# Allegro board nu_2000_main_210405_gerber_el.brd
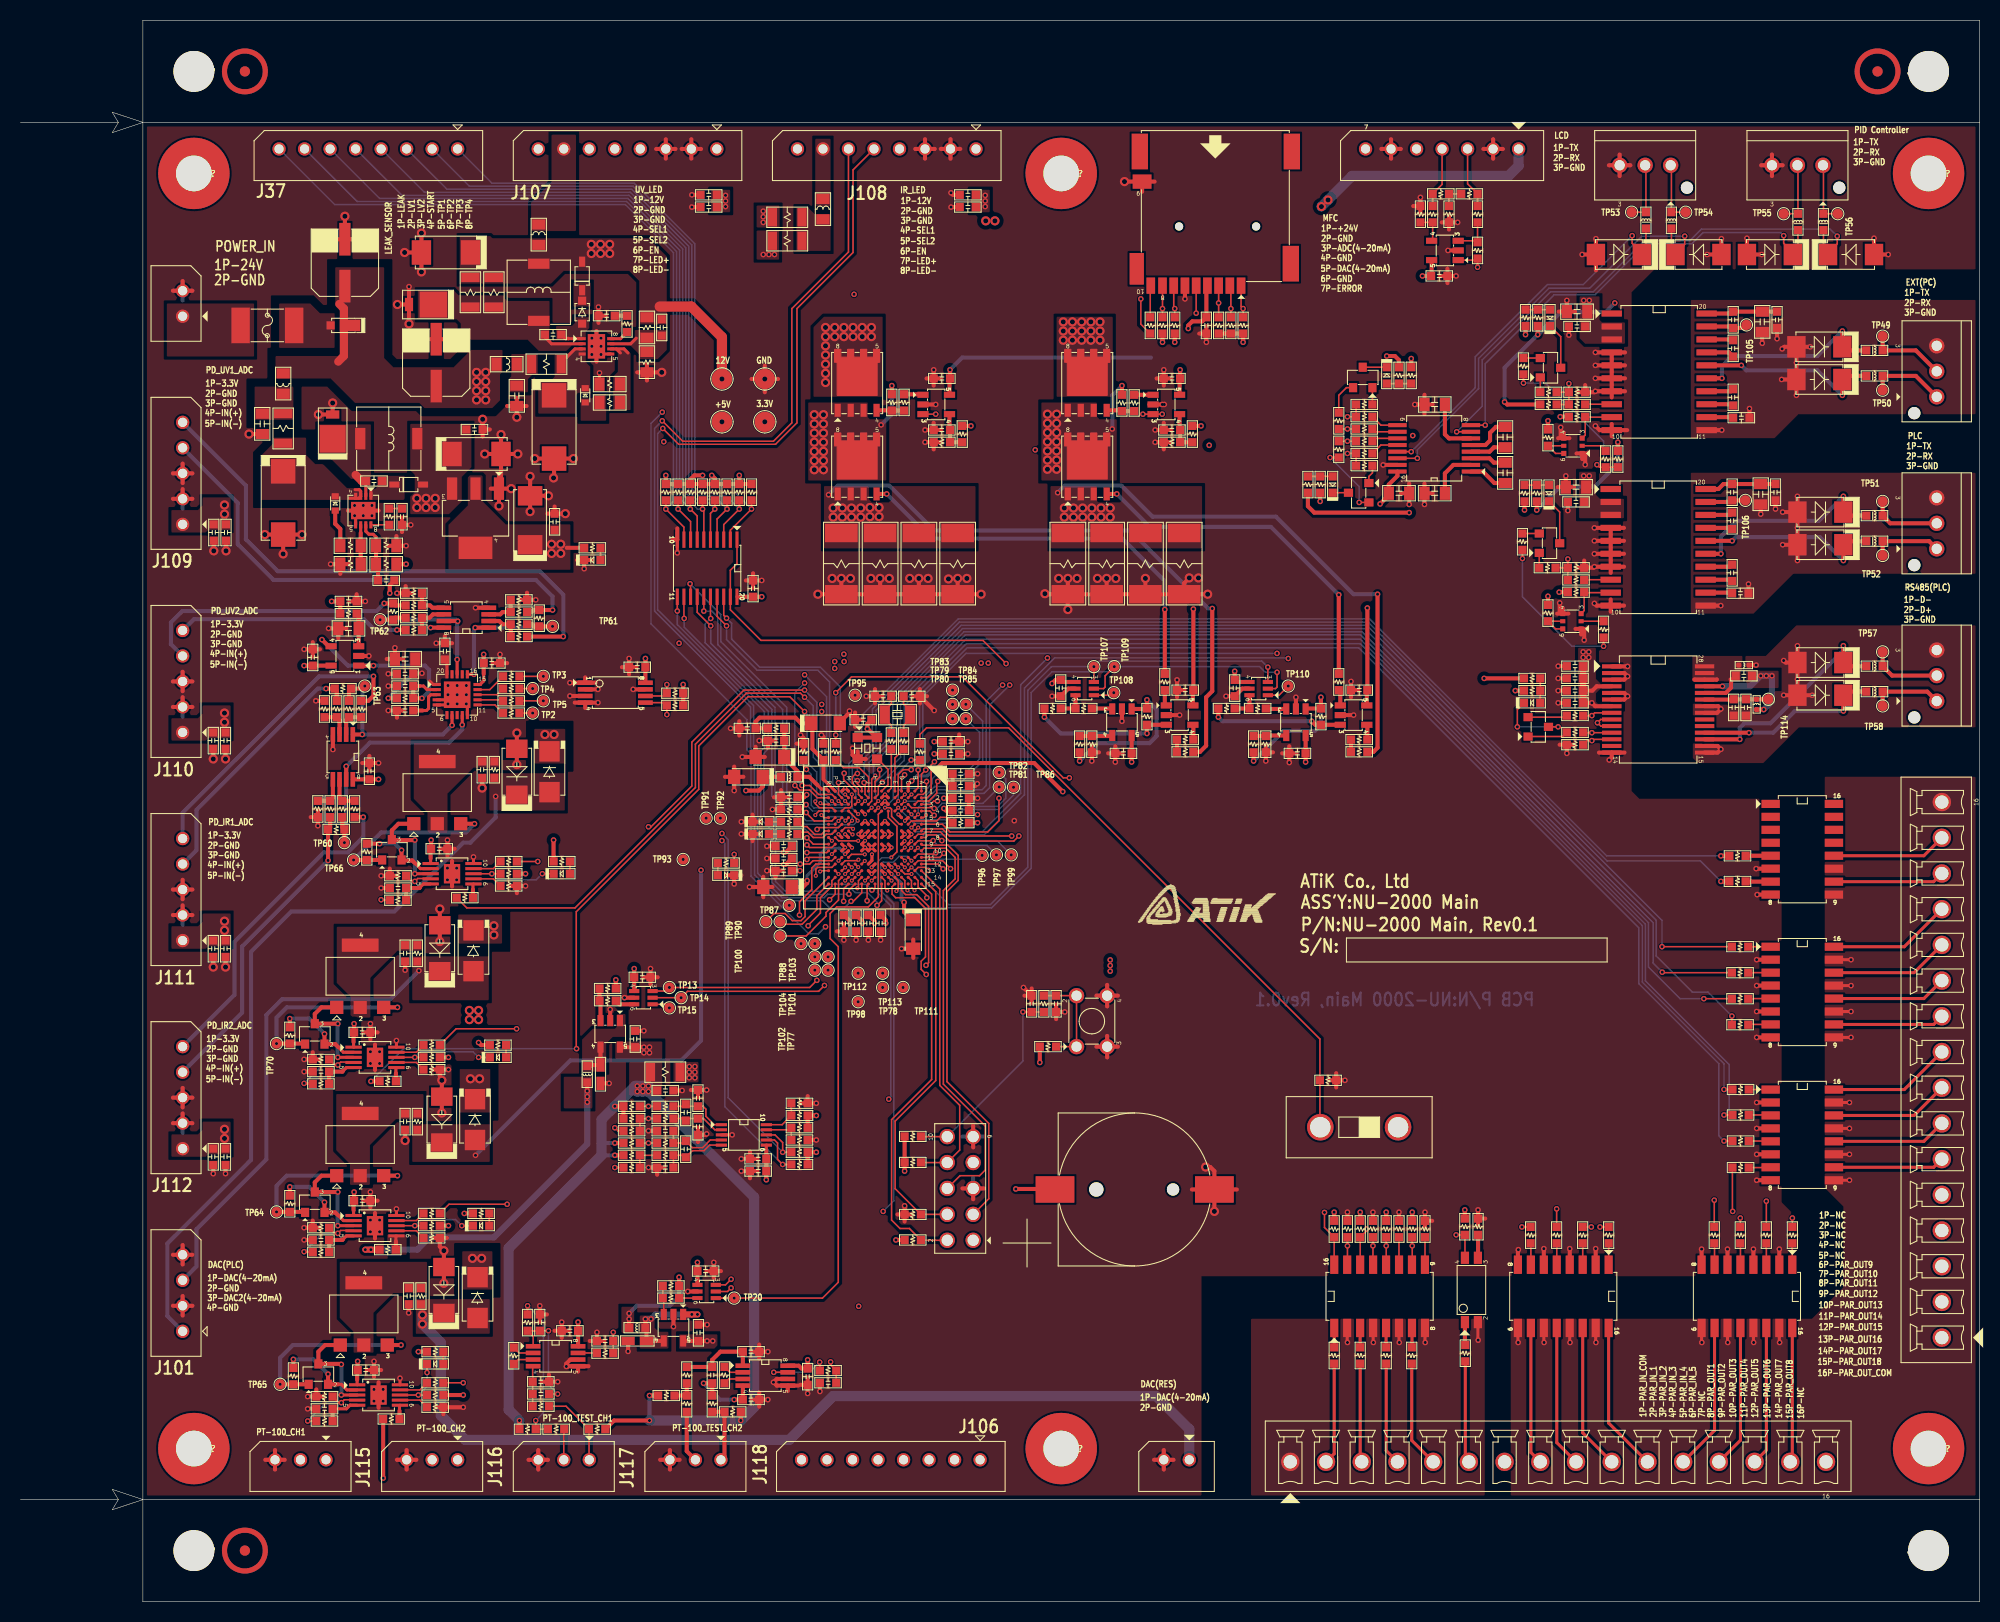
[diagram p0: board, top side]
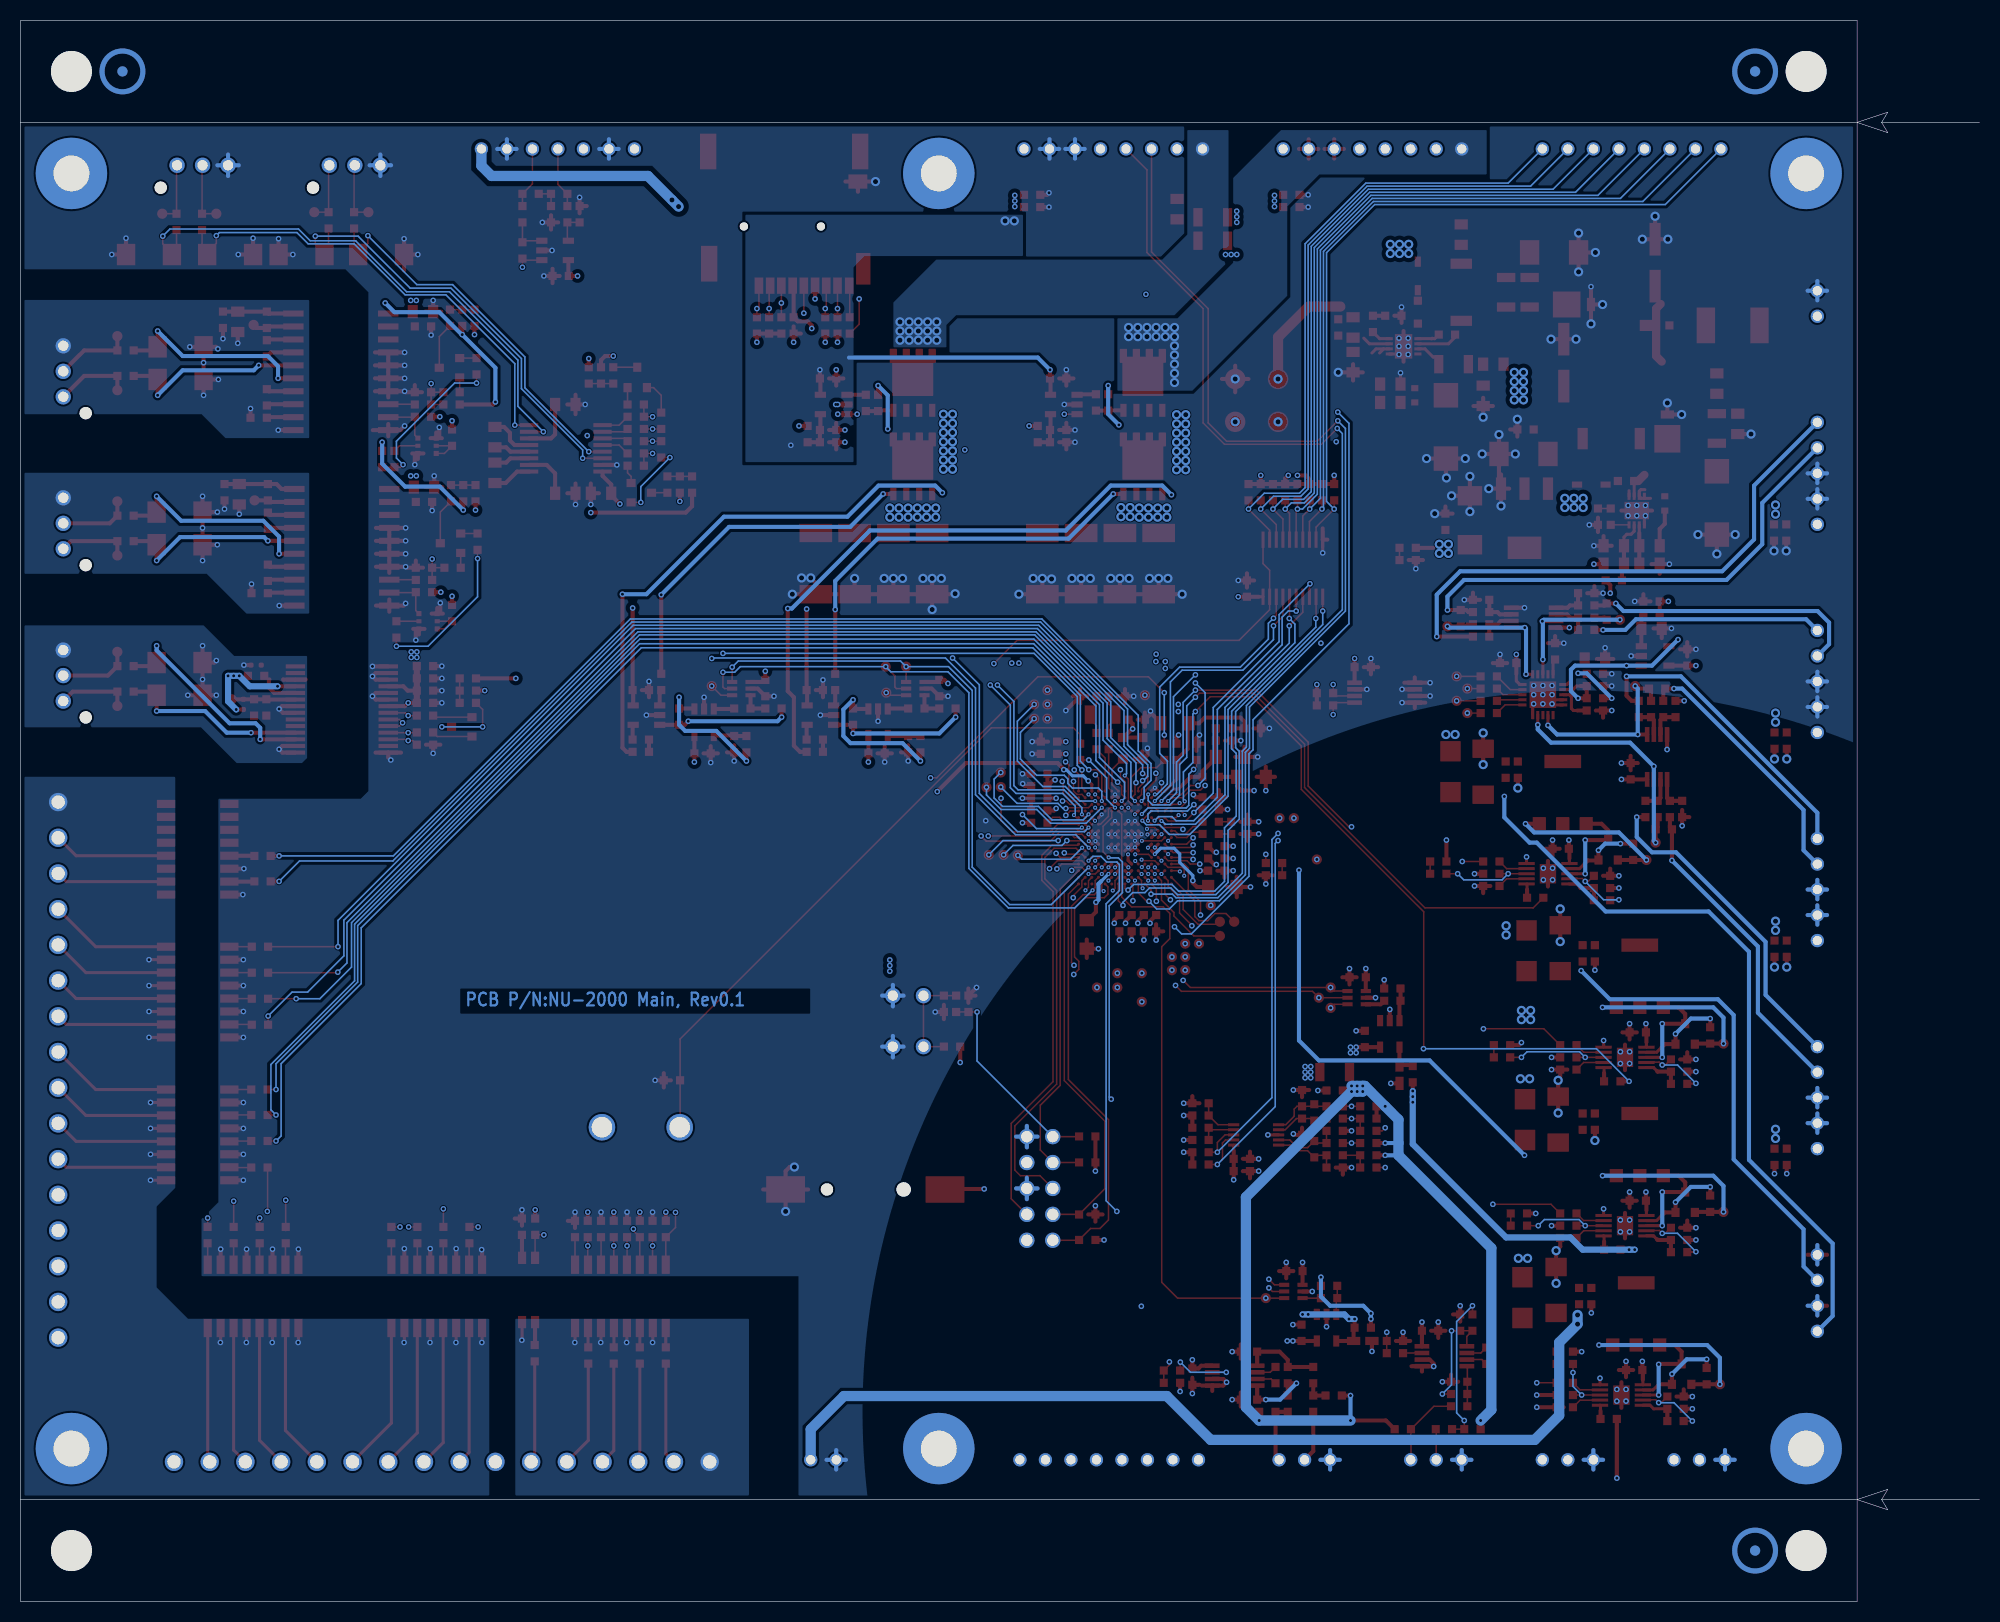
[diagram p1: board, bottom side, seen from below]

Outline 192 x 155 mm; copper layers: TOP, L2-PWR, L3-INT1, L4-INT2, L5-GND, BOTTOM. Coordinates in mm from the lower left corner of the outline.
Outline path: 12,145 12,155 192,155 192,145 ; 12,145 192,145 ; 12,145 12,10 ; 192,145 192,10 ; 12,10 12,0 192,0 192,10 ; 12,10 192,10

## Placement (name value [footprint] x y rotation side)
BT1  BC-501SM  [BT_BC501SM_2P]  109.2 40.4 270 top
C1  6.8p/C1608  [C1608]  87.35 88.75 0 top
C2  100n/C1608  [C1608]  99.1 58.6 270 top
C3  10p/C1608  [C1608]  101.5 58.6 90 top
C4  6.8p/C1608  [C1608]  84.55 88.75 180 top
C5  2.2u/16V  [TAN_3216A_C]  87.5 65.4 270 top
C6  2.2u/16V  [TAN_3216A_C]  74.2 70.05 180 top
C7  2.2u/C1608  [C1608]  78.7 83.3 270 top
C8  4.7u/16V  [TAN_3216A_C]  71.35 80.85 180 top
C9  100n/C1608  [C1608]  92.15 79.95 180 top
C10  100n/C1608  [C1608]  75.35 78.85 0 top
C11  2.2u/16V  [TAN_3216A_C]  73.45 82.8 180 top
C12  100n/C1608  [C1608]  92.15 78.75 180 top
C13  100n/C1608  [C1608]  92.15 77.55 180 top
C14  100n/C1608  [C1608]  92.15 81.15 180 top
C15  100n/C1608  [C1608]  91.2 83.1 180 top
C16  100n/C1608  [C1608]  91.2 84.3 180 top
C17  100n/C1608  [C1608]  74.8 71.65 0 top
C18  100n/C1608  [C1608]  74.8 72.85 0 top
C19  100n/C1608  [C1608]  74.8 74.05 0 top
C20  100n/C1608  [C1608]  83.1 66.5 90 top
C21  100n/C1608  [C1608]  84.3 66.5 90 top
C22  100n/C1608  [C1608]  81.9 66.5 90 top
C23  100n/C1608  [C1608]  80.7 66.5 90 top
C24  100n/C1608  [C1608]  74.05 84.4 0 top
C25  2.2u/16V  [TAN_3216A_C]  78.9 86.1 0 top
C26  100n/C1608  [C1608]  71.25 85.6 0 top
C27  100n/C1608  [C1608]  116.22 125.1 90 top
C28  100n/C1608  [C1608]  60.45 91.6 0 top
C31  10n/C1608  [C1608]  38.05 29.95 90 top
C32  100n/C1608  [C1608]  34.65 109.85 180 top
C33  100n/C1608  [C1608]  44.5 114.9 180 top
C36  22p/C1608  [C1608]  35.85 100.1 0 top
C37  100n/C1608  [C1608]  52.35 105.85 270 top
C38  10u/35V  [TAN_7343D_C]  25.75 107.7 270 top
C39  100u/35V  [ECAP_630_D]  31.8 131.25 180 top
C40  100n/C2012  [C2012]  23.7 115.45 90 top
C41  100u/10V  [TAN_6032C_C]  49.95 106 90 top
C42  100u/10V  [TAN_6032C_C]  44.7 112.5 0 top
C43  22p/C1608  [C1608]  37.4 106.35 90 top
C44  100n/C1608  [C1608]  71.8 99.3 270 top
C45  100n/C1608  [C1608]  60.95 61.2 180 top
C46  100n/C1608  [C1608]  60.25 55.15 270 top
C47  100n/C1608  [C1608]  66.45 26.35 270 top
C48  100n/C1608  [C1608]  67.15 32.4 180 top
C62  100n/C2012  [C2012]  145.5 110.65 270 top
C63  100n/C2012  [C2012]  135.1 108.65 0 top
C64  100n/C2012  [C2012]  145.5 114.15 270 top
C65  100n/C2012  [C2012]  138.6 117.35 0 top
C66  100n/C2012  [C2012]  138.6 108.65 0 top
C67  100n/C1608  [C1608]  172.15 125.65 270 top
C68  100n/C1608  [C1608]  152.55 125 180 top
C69  100n/C1608  [C1608]  168.65 116.05 0 top
C70  100n/C1608  [C1608]  167.85 118.05 270 top
C71  100n/C1608  [C1608]  167.85 125.65 270 top
C75  100n/C1608  [C1608]  32.15 98.05 0 top
C76  100n/C1608  [C1608]  41.6 93.15 90 top
C77  100n/C1608  [C1608]  37.7 90.95 180 top
C78  1u/C2012  [C2012]  37.7 92.4 180 top
C97  100n/C1608  [C1608]  33.5 39.3 180 top
C98  470n/C1608  [C1608]  29.45 35.45 0 top
C99  10n/C1608  [C1608]  37.7 47.05 90 top
C100  100n/C1608  [C1608]  33.85 22.7 180 top
C101  470n/C1608  [C1608]  29.8 18.9 0 top
C102  100n/C1608  [C1608]  72.3 43.4 0 top
C103  10uF/C1608  [C1608]  72.3 42.2 0 top
C104  100n/C1608  [C1608]  41.05 73.8 180 top
C105  470n/C1608  [C1608]  37 69.95 0 top
C108  10n/C1608  [C1608]  45.25 81.55 90 top
C109  100n/C1608  [C1608]  33.5 55.8 180 top
C110  470n/C1608  [C1608]  29.45 51.95 0 top
C113  10n/C1608  [C1608]  37.7 63.55 90 top
C115  100n  [C1608]  28.65 92.55 90 top
C116  100n  [C1608]  34.2 81.4 90 top
C117  100n/C1608  [C1608]  82.6 86.45 0 top
C118  1u/C2012  [C2012]  32.15 95.4 180 top
C119  100n/C1608  [C1608]  46.2 92 180 top
C120  10uF/C1608  [C1608]  37.7 89.75 0 top
C121  100n/C1608  [C1608]  37.7 87.35 180 top
C122  100n/C1608  [C1608]  52.2 124.2 180 top
C124  22p/C1608  [C1608]  62.85 124.9 90 top
C126  10u/35V  [TAN_7343D_C]  52.3 115.15 270 top
C127  100u/35V  [ECAP_630_D]  40.75 121.45 180 top
C128  100n/C2012  [C2012]  48.65 118.2 90 top
C130  100u/10V  [TAN_6032C_C]  41.7 132.25 180 top
C131  22p/C1608  [C1608]  57.45 126.05 0 top
C132  100n/C1608  [C1608]  108.1 83.15 0 top
C133  100n/C1608  [C1608]  114.15 89.35 0 top
C135  100n/C1608  [C1608]  90.3 114.85 180 top
C136  100n/C1608  [C1608]  90.3 119.9 0 top
C137  100n/C1608  [C1608]  112.85 119.9 0 top
C138  100n/C1608  [C1608]  112.85 114.85 180 top
C139  100n/C1608  [C1608]  119 89.55 90 top
C140  100n/C1608  [C1608]  131.2 89.35 0 top
C142  100n/C1608  [C1608]  53.85 26.55 0 top
C143  100n/C1608  [C1608]  57.3 25.55 0 top
C144  100n/C1608  [C1608]  77.15 22.05 90 top
C145  100n/C1608  [C1608]  79.15 21.45 0 top
C146  10uF/C1608  [C1608]  18.95 104.8 90 top
C147  100n/C1608  [C1608]  20.15 104.8 90 top
C148  10uF/C1608  [C1608]  18.9 84.4 90 top
C149  100n/C1608  [C1608]  20.1 84.4 90 top
C150  10uF/C1608  [C1608]  18.9 64 90 top
C151  100n/C1608  [C1608]  20.1 64 90 top
C152  10uF/C1608  [C1608]  18.9 43.6 90 top
C153  100n/C1608  [C1608]  20.1 43.6 90 top
C154  10uF/C1608  [C1608]  63.2 50.1 0 top
C155  100n/C1608  [C1608]  51 20.35 0 top
C156  10n/C1608  [C1608]  50.9 27.35 270 top
C157  10n/C1608  [C1608]  51 21.55 180 top
C158  100n/C1608  [C1608]  67.8 22.2 90 top
C159  10n/C1608  [C1608]  71.6 24.5 180 top
C160  10n/C1608  [C1608]  71.6 19.8 180 top
C161  22u/C2012  [C2012]  152.55 126.45 180 top
C162  22u/C2012  [C2012]  170.7 125.45 270 top
C163  100n/C1608  [C1608]  167.85 122.85 270 top
C164  22u/C2012  [C2012]  170.55 108.55 270 top
C165  100n/C1608  [C1608]  172 108.75 270 top
C166  100n/C1608  [C1608]  167.75 108.75 270 top
C167  100n/C1608  [C1608]  152.45 107.8 180 top
C168  22u/C2012  [C2012]  152.45 109.25 180 top
C169  100n/C1608  [C1608]  167.75 105.95 270 top
C170  100n/C1608  [C1608]  168.55 98.85 0 top
C171  100n/C1608  [C1608]  167.75 100.85 270 top
C172  10uF/C1608  [C1608]  67.45 137.9 0 top
C173  100n/C1608  [C1608]  67.45 136.7 0 top
C174  10uF/C1608  [C1608]  92.85 136.7 0 top
C175  100n/C1608  [C1608]  92.85 137.9 0 top
C176  100n/C1608  [C1608]  101.95 89.55 90 top
C177  100n/C1608  [C1608]  125.15 83.15 0 top
C178  100n/C1608  [C1608]  139.05 129.95 180 top
C179  10n/C1608  [C1608]  66.4 49.35 270 top
C180  100n/C1608  [C1608]  65.2 47.95 90 top
C181  10n/C1608  [C1608]  66.4 46.55 90 top
C182  10n/C1608  [C1608]  63.2 46.15 0 top
C183  10n/C1608  [C1608]  63.2 42.55 0 top
C184  100n/C1608  [C1608]  65.2 44.35 90 top
C185  10uF/C1608  [C1608]  152.35 91.7 0 top
C186  100n/C1608  [C1608]  152.35 90.5 0 top
C187  10uF/C1608  [C1608]  152.35 89.3 0 top
C188  100n/C1608  [C1608]  152.35 88.1 0 top
C189  10uF/C1608  [C1608]  169.1 87.65 270 top
C190  100n/C1608  [C1608]  168.9 90.75 180 top
C191  10n/C1608  [C1608]  167.9 87.65 270 top
D27  LTST-C193KGKT-5A  [LED1608]  72.55 76.45 0 top
D28  LTST-C193KRKT-5A  [LED1608]  72.55 75.25 0 top
D29  1N4148WS  [SOD323_2P_L]  38.05 109.5 0 top
D31  MSS1P6-M3/89A  [DO_219AD_2P]  31.65 125.1 180 top
D32  BZT52C16T  [SOD523_2P_F]  30.85 107.65 270 top
D33  MBRM140T3G  [D_457_04_2P]  30.6 114.6 90 top
D34  PGB1010603NR  [ESD_PGB101_2P]  56.85 51.7 90 top
D36  PGB1010603NR  [ESD_PGB101_2P]  60.45 25.55 0 top
D60  LTST-C193KSKT-5A  [LED1608]  69.15 71.2 180 top
D61  LTST-C193KRKT-5A  [LED1608]  56.05 102.1 0 top
D62  LTST-C193KGKT-5A  [LED1608]  53.05 71.35 0 top
D63  LTST-C193KGKT-5A  [LED1608]  46.8 53.35 0 top
D64  LTST-C193KGKT-5A  [LED1608]  45.15 36.85 0 top
D65  LTST-C193KGKT-5A  [LED1608]  40.65 23.3 0 top
D66  1N4148WS  [SOD323_2P_L]  55.05 129.95 90 top
D67  NC_BZT52C16T  [SOD523_2P_F]  55.35 118.25 270 top
D68  MBRM140T3G  [D_457_04_2P]  39.85 127.15 180 top
D70  LTST-C193KRKT-5A  [LED1608]  128.6 109.5 90 top
D71  LTST-C193KRKT-5A  [LED1608]  133.9 120.2 270 top
D72  LTST-C193KRKT-5A  [LED1608]  149.9 125.85 90 top
D73  LTST-C193KRKT-5A  [LED1608]  149.8 108.65 90 top
D74  LTST-C193KRKT-5A  [LED1608]  148.15 88.1 0 top
D75  SS16T3G  [D240_SMA_2P_A]  51.85 81.35 90 top
D76  SS16T3G  [D240_SMA_2P_A]  44.4 63.8 90 top
D77  SS16T3G  [D240_SMA_2P_A]  44.55 47.25 90 top
D78  SS16T3G  [D240_SMA_2P_A]  44.8 29.8 90 top
D79  SMAJ40CA  [D_DO_214AC_2P_E]  48.65 81.35 270 top
D80  SMAJ40CA  [D_DO_214AC_2P_E]  41.1 64.05 270 top
D81  SMAJ40CA  [D_DO_214AC_2P_E]  41.3 47.25 270 top
D82  SMAJ40CA  [D_DO_214AC_2P_E]  41.5 30.55 270 top
D83  SMAJ40CA  [D_DO_214AC_2P_E]  176.3 119.8 0 top
D84  SMAJ40CA  [D_DO_214AC_2P_E]  176.3 123 0 top
D85  SMAJ40CA  [D_DO_214AC_2P_E]  176.4 103.6 0 top
D86  SMAJ40CA  [D_DO_214AC_2P_E]  176.4 106.8 0 top
D87  SMAJ40CA  [D_DO_214AC_2P_E]  164.45 132.05 180 top
D88  SMAJ40CA  [D_DO_214AC_2P_E]  156.65 132.05 0 top
D89  SMAJ40CA  [D_DO_214AC_2P_E]  179.4 132.05 180 top
D90  SMAJ40CA  [D_DO_214AC_2P_E]  171.45 132.05 0 top
D91  CMDZ5235B  [SOD323_2P]  55.05 126.4 270 top
D92  SMAJ40CA  [D_DO_214AC_2P_E]  176.4 88.85 0 top
D93  SMAJ40CA  [D_DO_214AC_2P_E]  176.4 92.05 0 top
F1  0ZCG0075BF2B  [FUSE_0ZCG_2P]  24.2 125.1 0 top
J33  PJS008-2003-1  [CONN_PJS008_9P]  117.1 142.15 180 top
J34  PH2-10-UA  [CONN_PH2_10_UA_10P_A]  92.1 40.5 90 top
J36  5267-02A  [CONN_ST_5267_2P]  15.9 127.25 270 top
J37  5267-08A  [CONN_ST_5267_8P]  34.1 142.4 0 top
J44  53375-0310  [CONN_533750310_3P]  187.8 120.6 270 top
J45  53375-0310  [CONN_533750310_3P]  187.8 105.7 270 top
J46  53375-0310  [CONN_533750310_3P]  159.22 140.8 0 top
J47  53375-0310  [CONN_533750310_3P]  174.15 140.8 0 top
J48  53375-0310  [CONN_533750310_3P]  187.8 90.78 270 top
J52  395011016  [CONN_0309501_1016_16P]  150.7 13.7 0 top
J53  395011016  [CONN_0309501_1016_16P]  188.3 52.12 90 top
J101  5267-04A  [CONN_ST_5267_4P]  15.9 30.25 270 top
J106  5267-08A  [CONN_ST_5267_8P]  85.3 13.9 0 top
J107  5267-08A  [CONN_ST_5267_8P]  59.5 142.4 0 top
J108  5267-08A  [CONN_ST_5267_8P]  84.9 142.4 0 top
J109  5267-05A  [CONN_ST_5267_5P]  15.9 110.6 270 top
J110  5267-05A  [CONN_ST_5267_5P]  15.9 90.2 270 top
J111  5267-05A  [CONN_ST_5267_5P]  15.9 69.8 270 top
J112  5267-05A  [CONN_ST_5267_5P]  15.9 49.4 270 top
J115  5267-03A  [CONN_ST_5267_3P]  27.45 13.9 0 top
J116  5267-03A  [CONN_ST_5267_3P]  40.35 13.9 0 top
J117  5267-03A  [CONN_ST_5267_3P]  53.25 13.9 0 top
J118  5267-03A  [CONN_ST_5267_3P]  66.15 13.9 0 top
J119  5267-07A  [CONN_ST_5267_7P]  139.32 142.4 0 top
J120  5267-02A  [CONN_ST_5267_2P]  113.3 13.9 0 top
L1  MPZ1608S601ATA00  [B1608]  75.35 80.85 0 top
L2  CDRH5D28RNP-100NC  [L_CDRH5D_2P]  36.1 114 0 top
L3  MH2029-601Y  [L2012]  25.75 119.4 270 top
L5  MMZ1608D100CTAH0  [B1608]  55.55 51.7 270 top
L6  MMZ1608D100CTAH0  [B1608]  60.45 26.85 180 top
L8  MMZ1608D100CTAH0  [B1608]  181.7 120.15 0 top
L9  MMZ1608D100CTAH0  [B1608]  181.7 122.65 0 top
L10  MMZ1608D100CTAH0  [B1608]  181.7 103.95 0 top
L11  MMZ1608D100CTAH0  [B1608]  181.7 106.45 0 top
L12  MMZ1608D100CTAH0  [B1608]  159.3 135.4 90 top
L13  MMZ1608D100CTAH0  [B1608]  161.8 135.4 90 top
L14  MMZ1608D100CTAH0  [B1608]  176.7 135.25 90 top
L15  MMZ1608D100CTAH0  [B1608]  174.2 135.25 90 top
L16  MMZ1608D100CTAH0  [B1608]  181.7 89.2 0 top
L17  MMZ1608D100CTAH0  [B1608]  181.7 91.7 0 top
L18  CDRH5D28RNP-100NC  [L_CDRH5D_2P]  50.8 128.35 90 top
L19  MH2029-601Y  [L2012]  47.65 121.3 0 top
L20  MH2029-601Y  [L2012]  50.8 134 90 top
L21  MH2029-601Y  [L2012]  78.65 136.5 90 top
L22  BLM15HD182SN1  [L1005]  168.9 91.8 0 top
L23  BLM15HD182SN1  [L1005]  170.15 87.95 90 top
LS1  LT3505EDD  [DFN_3X3_8P_TAB_B]  33.6 106.95 180 top
LS2  LT3505EDD  [DFN_3X3_8P_TAB_B]  56.45 123.05 270 top
NOREF  -  []  102.59 113.45 0 top
NOREF#2  -  []  27.35 39.85 0 top
NOREF#3  -  []  58.75 54.35 90 top
NOREF#4  -  []  153.05 112.55 90 top
NOREF#5  -  []  41.15 74.25 0 top
NOREF#6  -  []  169.15 133.5 0 top
NOREF#7  -  []  70.8 21.18 90 top
NOREF#8  -  []  178.05 133.55 0 top
NOREF#9  -  []  122.25 89.5 90 top
NOREF#10  -  []  155.85 109.06 0 top
NOREF#11  -  []  32.5 124.3 0 top
NOREF#12  -  []  82.65 95.35 0 top
NOREF#13  -  []  36.6 24.5 90 top
NOREF#14  -  []  140.8 25.35 90 top
NOREF#15  -  []  37.95 61.75 0 top
NOREF#16  -  []  30.62 85 0 top
NOREF#17  -  []  43.1 129.25 0 top
NOREF#18  -  []  131.95 85.95 90 top
NOREF#19  -  []  32.8 112.95 90 top
NOREF#20  -  []  27.9 54.65 0 top
NOREF#21  -  []  174.1 108.25 0 top
NOREF#22  -  []  185.6 101.6 0 top
NOREF#23  -  []  79.79 116.14 90 top
NOREF#24  -  []  33.15 87.45 0 top
NOREF#25  -  []  27.5 54.2 90 top
NOREF#26  -  []  102.64 108.58 0 top
NOREF#27  -  []  34.9 74.4 0 top
NOREF#28  -  []  40.15 32.05 0 top
NOREF#29  -  []  127.95 27.57 90 top
NOREF#30  -  []  130.2 118.55 90 top
NOREF#31  -  []  138.75 132.25 90 top
NOREF#32  -  []  147.55 102.25 0 top
NOREF#33  -  []  22.48 123.3 0 top
NOREF#34  -  []  71.72 19.23 90 top
NOREF#35  -  []  156.45 22.88 90 top
NOREF#36  -  []  78.35 103.35 0 top
NOREF#37  -  []  29.8 38.15 90 top
NOREF#38  -  []  174.15 106.8 0 top
NOREF#39  -  []  141.56 33.7 0 top
NOREF#40  -  []  102.34 107.94 90 top
NOREF#41  -  []  125 87.5 0 top
NOREF#42  -  [unnamed#2]  182 150 180 top
NOREF#43  -  []  88.3 70.35 90 top
NOREF#44  -  []  36.3 32.2 90 top
NOREF#45  -  []  83.6 107.94 0 top
NOREF#46  -  []  84.21 107.94 90 top
NOREF#47  -  []  50.55 122.2 0 top
NOREF#48  -  []  61.95 59.2 90 top
NOREF#49  -  []  23.35 113.4 0 top
NOREF#50  -  []  38.45 46.55 90 top
NOREF#51  -  []  84.7 86.95 0 top
NOREF#52  -  []  84.5 116.45 90 top
NOREF#53  -  [unnamed#2]  22 150 0 top
NOREF#54  -  []  44.8 89.4 90 top
NOREF#55  -  []  111.95 103.35 0 top
NOREF#56  -  []  173.45 13.7 0 top
NOREF#57  -  []  135.85 110.85 90 top
NOREF#58  -  []  72.2 69.15 0 top
NOREF#59  -  []  106.45 83.65 90 top
NOREF#60  -  []  174.15 103.6 0 top
NOREF#61  -  []  27.7 23 0 top
NOREF#62  -  []  112.3 87.85 0 top
NOREF#63  -  []  110.3 140.3 0 top
NOREF#64  -  []  79.2 79.45 0 top
NOREF#65  -  []  39.25 110.9 90 top
NOREF#66  -  []  75.8 69.25 0 top
NOREF#67  -  []  38.3 66.1 0 top
NOREF#68  -  []  152.75 96.4 0 top
NOREF#69  -  []  47.5 127.3 90 top
NOREF#70  -  []  47.8 46.4 90 top
NOREF#71  -  []  30 124.15 0 top
NOREF#72  -  []  29.1 102.45 0 top
NOREF#73  -  []  120.45 88.85 0 top
NOREF#74  -  []  102.59 121.66 0 top
NOREF#75  -  []  33.55 15.6 0 top
NOREF#76  -  []  33.6 54.65 90 top
NOREF#77  -  []  40.8 86.9 90 top
NOREF#78  -  []  37.2 109.8 0 top
NOREF#79  -  []  108.9 84.9 90 top
NOREF#80  -  []  102.55 103.35 0 top
NOREF#81  -  []  30.25 58.9 90 top
NOREF#82  -  []  174.45 22.88 0 top
NOREF#83  -  []  173.25 87.7 0 top
NOREF#84  -  []  12 10 0 top
NOREF#85  -  []  61.25 25.15 90 top
NOREF#86  -  []  36.65 15.6 90 top
NOREF#87  -  []  41.3 70.5 90 top
NOREF#88  -  []  44.7 130.65 0 top
NOREF#89  -  []  80.09 116.78 0 top
NOREF#90  -  []  60.15 58.55 0 top
NOREF#91  -  []  175.05 105.1 0 top
NOREF#92  -  []  84.5 108.25 90 top
NOREF#93  -  []  111.45 85.4 0 top
NOREF#94  -  []  48.05 28.95 90 top
NOREF#95  -  []  90.25 95.35 0 top
NOREF#96  -  []  84.15 103.35 0 top
NOREF#97  -  []  98.25 59.15 0 top
NOREF#98  -  []  45.25 98 0 top
NOREF#99  -  []  174 121.55 90 top
NOREF#100  -  []  47.5 127.3 0 top
NOREF#101  -  []  107 84.9 0 top
NOREF#102  -  []  76.3 69.35 90 top
NOREF#103  -  []  174.1 90.3 0 top
NOREF#104  -  []  32.1 102.45 90 top
NOREF#105  -  []  33.75 52.5 0 top
NOREF#106  -  []  27.9 38.15 0 top
NOREF#107  -  []  111.25 95.35 90 top
NOREF#108  -  []  120.5 85.35 0 top
NOREF#109  -  []  44.6 103.3 90 top
NOREF#110  -  []  38.95 108.8 90 top
NOREF#111  -  []  150.65 118.05 90 top
NOREF#112  -  []  107.45 95.35 90 top
NOREF#113  -  []  71.45 81.9 0 top
NOREF#114  -  []  147.75 84.8 90 top
NOREF#115  -  []  74.55 23.7 90 top
NOREF#116  -  []  32.6 107.4 90 top
NOREF#117  -  []  36.25 84.35 90 top
NOREF#118  -  []  24.75 115.9 0 top
NOREF#119  -  []  176.97 74.3 0 top
NOREF#120  -  []  177.15 132.05 0 top
NOREF#121  -  []  129.45 110.85 0 top
NOREF#122  -  []  79.5 114.25 0 top
NOREF#123  -  []  140.9 131.5 90 top
NOREF#124  -  []  57.8 56.95 0 top
NOREF#125  -  []  100.55 103.35 0 top
NOREF#126  -  []  135.75 133.95 0 top
NOREF#127  -  []  45.5 79.05 0 top
NOREF#128  -  []  57.1 118 90 top
NOREF#129  -  []  76.9 41.85 90 top
NOREF#130  -  []  60.2 125.2 90 top
NOREF#131  -  []  41.5 28.3 90 top
NOREF#132  -  []  174.95 121.3 0 top
NOREF#133  -  []  30.35 38.45 90 top
NOREF#134  -  []  36.25 17.35 90 top
NOREF#135  -  []  114.45 83.7 90 top
NOREF#136  -  []  35.05 72.25 90 top
NOREF#137  -  []  148.95 120 90 top
NOREF#138  -  []  112.3 86.9 90 top
NOREF#139  -  []  174.05 123 0 top
NOREF#140  -  []  52.3 112.05 90 top
NOREF#141  -  []  124.05 84.9 0 top
NOREF#142  -  []  32.6 130.55 90 top
NOREF#143  -  []  123.5 83.65 90 top
NOREF#144  -  []  124.5 131.15 90 top
NOREF#145  -  []  51.85 79.35 90 top
NOREF#146  -  []  103.45 85.35 0 top
NOREF#147  -  []  27.85 20.85 90 top
NOREF#148  -  []  77.3 86.9 0 top
NOREF#149  -  []  119.85 87 90 top
NOREF#150  -  []  127.39 46.5 0 top
NOREF#151  -  []  106.76 121.66 90 top
NOREF#152  -  []  174 121.25 0 top
NOREF#153  -  []  80.05 118.23 90 top
NOREF#154  -  []  111.92 129 0 top
NOREF#155  -  []  33 19.25 0 top
NOREF#156  -  []  121.1 134.8 0 top
NOREF#157  -  []  53.9 131.4 0 top
NOREF#158  -  []  42.42 93.53 90 top
NOREF#159  -  []  56.3 53.1 90 top
NOREF#160  -  []  41.15 72.65 90 top
NOREF#161  -  []  78.75 59.9 0 top
NOREF#162  -  []  174.8 85.1 90 top
NOREF#163  -  []  38.35 29.4 0 top
NOREF#164  -  []  43.8 75.6 90 top
NOREF#165  -  []  43.45 68.45 90 top
NOREF#166  -  []  185.6 86.67 0 top
NOREF#167  -  []  32.32 111.6 0 top
NOREF#168  -  []  53.52 126 0 top
NOREF#169  -  []  30.15 21.3 90 top
NOREF#170  -  []  57.95 118.55 90 top
NOREF#171  -  []  175.05 108.3 0 top
NOREF#172  -  []  148.5 102.3 90 top
NOREF#173  -  []  121.1 134.8 90 top
NOREF#174  -  []  102.59 118.23 90 top
NOREF#175  -  []  26.45 123.5 90 top
NOREF#176  -  []  39.75 65.55 0 top
NOREF#177  -  []  32.65 35.85 0 top
NOREF#178  -  []  42.2 127.45 0 top
NOREF#179  -  []  155.95 83.22 90 top
NOREF#180  -  []  88.3 67 0 top
NOREF#181  -  []  192 10 90 top
NOREF#182  -  []  41.7 114.1 0 top
NOREF#183  -  []  50.25 23.07 90 top
NOREF#184  -  []  84.21 116.14 90 top
NOREF#185  -  []  85.5 64.5 0 top
NOREF#186  -  []  38.35 25.35 90 top
NOREF#187  -  []  85.25 95.35 90 top
NOREF#188  -  []  32.6 105.2 90 top
NOREF#189  -  []  102.05 122.45 0 top
NOREF#190  -  []  179.47 41.75 90 top
NOREF#191  -  []  152.85 113.6 0 top